# Altium PCB Nest-Distrib.PcbDoc (continued)
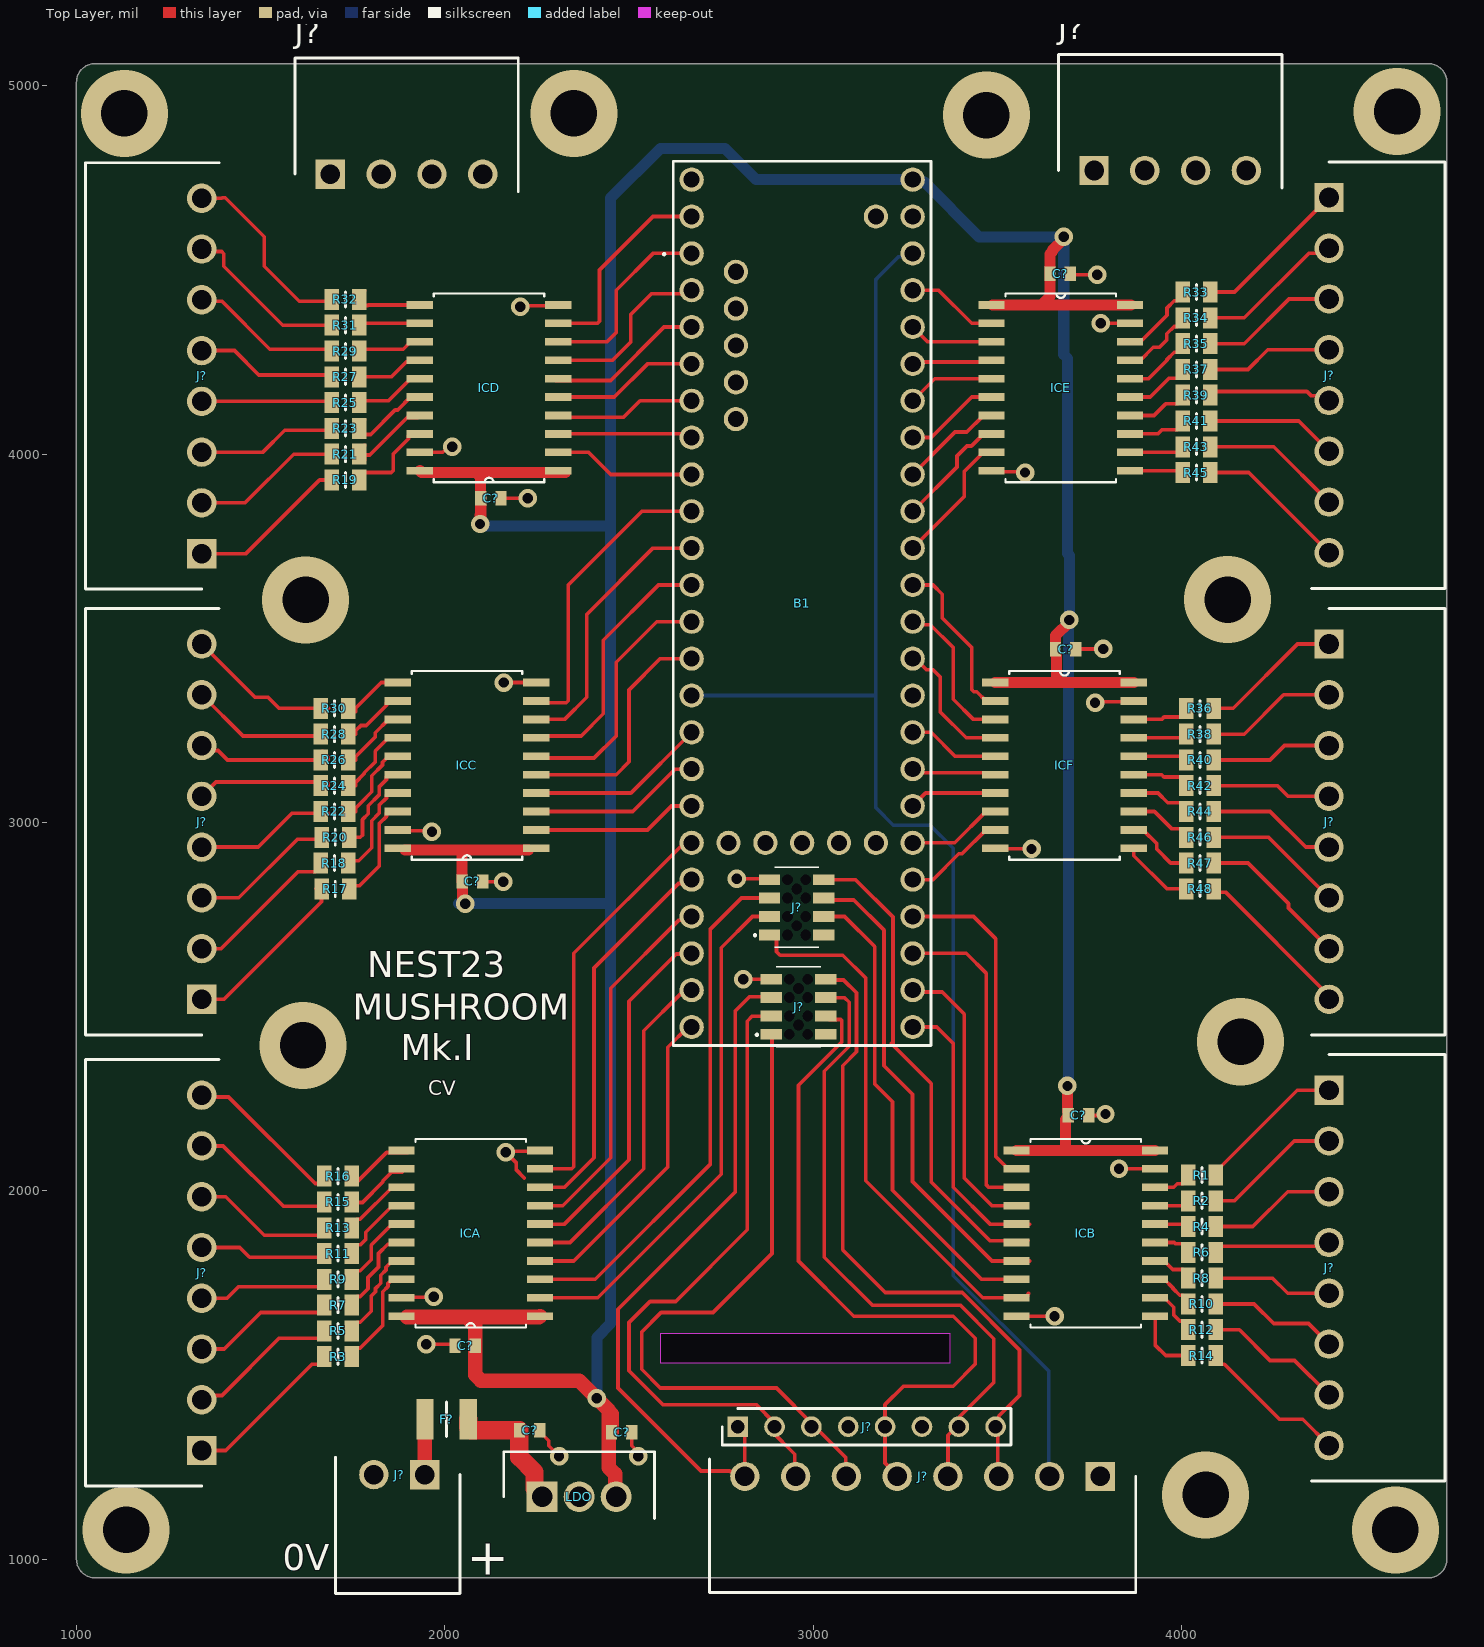
[diagram p0: Top Layer view]
## Nets (pads, with @x,y where several pads share a name; then routed paths per layer and width w, separated by ;. In a path a pad name is that pad's centre, name@x,y a point inside that pad or via, vN(x,y) a via of type N, cw(c..) or ccw(c..) an arc to the next point about the centre after c; other vN are vias at no path point)
3V3: B1.42 B1.44 B1.53 J?.2@3641.18,1225 | length 4132.2
  Bottom Layer w10: B1.42 3170,3345 ; B1.53 3260.79,4535.79 3231.65,4535.79 3175.86,4480 3170,4474.14 3170,3345 ; J?.2@3641.18,1225 3638.98,1227.2 3638.98,1511.02 3380,1770 3380,2930 3317.22,2992.78 3217.22,2992.78 3170,3040 3170,3345
+5: B1.55 C?.1@2047.44,2840 C?.1@2082.56,1580 C?.1@2097.44,3880 C?.1@2452.44,1345 C?.1@3642.44,4490 C?.1@3657.44,3470 C?.1@3692.44,2205 ICA.1 ICA.20 ICB.1 ICB.20 ICC.1 ICC.20 ICD.1 ICD.20 ICE.1 ICE.20 ICF.1 ICF.20 LDO.3 | length 11684.9
  Top Layer w30: ICC.20@1892.5,2925.5 1907.65,2925.5 1908.15,2925 2047.09,2925 ; ICD.20 1936.5,3950.5 1967.65,3950.5 1968.15,3950 2085,3950 ; C?.1@2047.09,2839.65 2047.09,2925 ; C?.1@2047.44,2840 2047.8,2839.65 2047.8,2792.62 2055,2785.41 v1(2055,2780) ; v1(2095.6,3810.3) 2095.6,3834.4 2097.44,3832.56 2097.44,3880 2097.09,3880.35 2097.09,3937.91 2085,3950 ; ICC.1@2227.5,2925.5 2212.35,2925.5 2211.85,2925 2047.09,2925 ; ICD.1@2326.8,3950 2085,3950 ; ICE.1@3487,4405 3620,4405 ; ICF.1 3660,3380 ; ICB.1 3675,2110 ; v1(3680,4590) 3680,4584.59 3650,4554.59 3650,4550 3642.8,4542.8 3642.8,4490.35 3642.44,4490 3642.44,4427.44 3620,4405 ; v1(3690,2285) 3690,2215 3692.09,2212.91 3692.09,2205.35 3692.44,2205 3692.09,2204.65 3692.09,2200.51 3685,2193.43 3685,2120 3675,2110 ; v1(3695,3550) 3695,3544.59 3657.8,3507.38 3657.8,3470.35 3657.44,3470 3657.44,3465.87 3657.8,3465.51 3657.8,3456.02 3660,3453.81 3660,3380 ; ICE.20@3863,4405 ICE.20 3620,4405 ; ICF.20 3660,3380 ; ICB.20 3675,2110
  Top Layer w40: ICA.20@1897.5,1657.56 2059.13,1657.56 ; 2082.56,1505 2082.56,1634.13 2059.13,1657.56 ; 2082.91,1500.51 2098.43,1485 2365,1485 v1(2412.44,1437.56) 2445,1405 2445,1248.99 2462.42,1231.57 2462.42,1172.58 LDO.3 ; ICA.1 2255.56,1657.56 2059.13,1657.56 ; C?.1@2452.44,1345 2452.44,1394.85
  Bottom Layer w30: v1@2037.33,2780 v1(2055,2780) 2440.15,2780 ; v1@2096.5,3806.48 2113.57,3806.48 2115.05,3805 2450,3805 ; v1(2412.44,1437.56) 2412.44,1602.44 2450,1640 2450,3805 ; v1(3690,2285) 3692.5,2287.5 3692.5,3547.5 v1(3695,3550) 3695,3725.21 3690,3730.21 3690,4260 3680,4270 v1(3680,4590) 3450,4590 3301.8,4738.2 3276.8,4738.2 B1.55 2845,4745 2760,4830 2585,4830 2450,4695 2450,3805
+12: C?.1@2202.44,1350 F?.2 LDO.1 | length 369.7
  Top Layer w50: F?.2 2063.46,1358.23 2071.69,1350 2202.44,1350 2202.44,1277.56 2243.36,1236.64 2243.36,1190.86 LDO.1
A_1: ICA.2 J?.3@2881.38,2745 | length 1421
  Top Layer w10: ICA.2 2414.91,1710 2750,2045.09 2750,2660 2835,2745 J?.3@2890.12,2745
A_2: ICA.3 J?.5@2881.38,2795 | length 1434.8
  Top Layer w10: ICA.3 2408.49,1760 2720,2071.51 2720,2710 2805,2795 J?.5@2890.12,2795
A_3: B1.32 ICA.4 | length 865.4
  Top Layer w10: ICA.4 2350,1810 2605,2065 2605,2390 2660,2445 B1.32
A_4: B1.31 ICA.5 | length 915.4
  Top Layer w10: ICA.5 2340,1860 2540,2060 2540,2435 2639.37,2534.37 2659.37,2534.37 B1.31
A_5: B1.30 ICA.6 | length 968.3
  Top Layer w10: ICA.6 2325,1910 2500,2085 2500,2515 2628.08,2643.08 2668.08,2643.08 B1.30
A_6: B1.29 ICA.7 | length 1006.6
  Top Layer w10: ICA.7 2320,1960 2450,2090 2450,2550 2634.37,2734.37 2659.37,2734.37 B1.29
A_7: B1.28 ICA.8 | length 1059.5
  Top Layer w10: ICA.8 2325,2010 2405,2090 2405,2605 2634.37,2834.37 2659.37,2834.37 B1.28
A_8: B1.27 ICA.9 | length 1103.8
  Top Layer w10: ICA.9@2272,2060 2344.14,2060 2350,2065.86 2350,2645 2639.37,2934.37 2659.37,2934.37 B1.27
B_1: B1.36 ICB.2 | length 913.1
  Top Layer w10: B1.36 3435,2745 3495,2685 3495,2093.93 3521.5,2067.43 3521.5,2065.5 3527,2060 ICB.2
B_2: B1.35 ICB.3 | length 908.5
  Top Layer w10: B1.35 3415,2645 3470,2590 3470,2015.86 3475.86,2010 ICB.3@3579.15,2010
B_3: B1.34 ICB.4 | length 796.8
  Top Layer w10: B1.34 3275,2540 3350,2540 3410,2480 3410,2035 3485,1960 ICB.4@3563.85,1960
B_4: B1.33 ICB.5 | length 766.8
  Top Layer w10: B1.33 3335,2445 3380,2400 3380,2010 3480,1910 ICB.5 ICB.5@3586.78,1910
B_5: ICB.6 J?.8@3028.62,2845 | length 1326.4
  Top Layer w10: J?.8@3029.88,2845 3115,2845 3216.58,2743.42 3216.58,2395.4 ; 3211.97,2400 3216.58,2395.4 ; ICB.6@3583.59,1865 3480,1865 3320.63,2024.37 3320.63,2291.34 3216.58,2395.4
B_6: ICB.7 J?.6@3028.62,2795 | length 1320.1
  Top Layer w10: J?.6@3029.88,2795 3034.88,2790 3110,2790 3191.97,2708.03 3191.97,2340 3269.6,2262.38 3269.6,2025.4 3485,1810 ICB.7 3587.59,1810
B_7: ICB.8 J?.4@3028.62,2745 | length 1312.3
  Top Layer w10: J?.4@3029.88,2745 3085,2745 3166.8,2663.2 3166.8,2290 3215,2241.8 3215,2001.91 3456.91,1760 ICB.8 ; ICB.8@3552,1764.3 ICB.8@3575,1764.3
B_8: ICB.9 J?.1@2881.38,2695 | length 1453.4
  Top Layer w10: J?.1@2890.12,2695 2890.87,2695 2900.43,2685.43 2900.43,2649.57 2910,2640 3080,2640 3142.19,2577.81 3142.19,2027.85 3460.04,1710 ICB.9 3578.43,1710 3582.5,1714.07 3582.5,1719.49 3584.41,1721.41
C_1: B1.26 ICC.2 | length 448.9
  Top Layer w10: ICC.2 2550,2980 2615,3045 B1.26
C_2: B1.25 ICC.3 | length 469.6
  Top Layer w10: ICC.3 2510,3030 2625,3145 B1.25
C_3: B1.24 ICC.4 | length 490.3
  Top Layer w10: ICC.4 2505,3080 B1.24
C_4: B1.12 ICC.5 | length 666.7
  Top Layer w10: ICC.5 2465,3130 2500,3165 2500,3360 2585,3445 B1.12
C_5: B1.11 ICC.6 | length 699
  Top Layer w10: ICC.6@2241.39,3175 2405,3175 2465,3235 2465,3435 2575,3545 B1.11
C_6: B1.10 ICC.7 | length 726
  Top Layer w10: ICC.7@2231.03,3235 2370,3235 2430,3295 2430,3495 2580,3645 B1.10
C_7: B1.9 ICC.8 | length 746.4
  Top Layer w10: ICC.8 2325,3280 2385,3340 2385,3565 2565,3745 B1.9
C_8: B1.8 ICC.9 | length 829.9
  Top Layer w10: ICC.9@2239.48,3325 2329.14,3325 2335,3330.86 2335,3645 2535,3845 B1.8
D_1: B1.7 ICD.2 | length 386.9
  Top Layer w10: ICD.2 2390,4005 2450,3945 B1.7
D_2: B1.6 ICD.3 | length 375.3
  Top Layer w10: ICD.3@2298.94,4055.33 2659.67,4055.33 B1.6
D_3: B1.5 ICD.4 | length 385.4
  Top Layer w10: ICD.4@2303.23,4100 2485,4100 2530,4145 B1.5
D_4: B1.4 ICD.5 | length 403.2
  Top Layer w10: ICD.5@2304.09,4155 2460,4155 2550,4245 B1.4
D_5: B1.3 ICD.6 | length 429.1
  Top Layer w10: ICD.6@2300.97,4200 2450,4200 2595,4345 B1.3
D_6: B1.2 ICD.7 | length 497.1
  Top Layer w10: ICD.7@2295.49,4255 2455,4255 2505,4305 2505,4380 2560,4435 2660,4435 B1.2
D_7: B1.1 ICD.8 | length 540.2
  Top Layer w10: ICD.8@2296.62,4305 2440,4305 2465,4330 2465,4445 2565,4545 B1.1
D_8: B1.57 ICD.9 | length 569.5
  Top Layer w10: ICD.9@2302.1,4355 2414.14,4355 2420,4360.86 2420,4500 2565,4645 B1.57
E_1: B1.23 ICE.2 | length 254.3
  Top Layer w10: B1.23 3340,4445 3430,4355 ICE.2@3487,4355
E_2: B1.22 ICE.3 | length 233.6
  Top Layer w10: B1.22 3310,4305 ICE.3@3487,4305
E_3: B1.21 ICE.4 | length 221.1
  Top Layer w10: B1.21 3275,4250 3482,4250 ICE.4@3487,4255
E_4: B1.20 ICE.5 | length 241.9
  Top Layer w10: B1.20 3330,4205 ICE.5@3487,4205
E_5: B1.19 ICE.6 | length 262.6
  Top Layer w10: B1.19 3320,4045 3430,4155 ICE.6@3487,4155
E_6: B1.18 ICE.7 | length 283.3
  Top Layer w10: B1.18 3385,4060 3417,4060 3462,4105 ICE.7@3487,4105
E_7: B1.17 ICE.8 | length 321.6
  Top Layer w10: B1.17 3390,3965 3390,3995 3417.25,4022.25 3429.25,4022.25 3462,4055 ICE.8@3487,4055
E_8: B1.16 ICE.9 | length 364.5
  Top Layer w10: B1.16 3410,3885 3410,3953 3462,4005 ICE.9@3487,4005
EX_1: J?.1@2795,1360 J?.8@2814.41,1225 | length 1860.7
  Top Layer w10: J?.1@2795,1360 2814.41,1340.59 2814.41,1225 2801.07,1238.34 2775.35,1238.34 2773.69,1240 2695,1240 2470,1465 2470,1678.77 2788.31,1997.07 2788.31,2488.31 2827.02,2527.02 2888.1,2527.02 2890.12,2525
EX_2: J?.2@2895,1360 J?.7@2952.2,1225 | length 1813.8
  Top Layer w10: J?.2@2885,1350 2950,1285 2950,1227.2 J?.7@2952.2,1225 ; 2889.75,2474.64 2834.64,2474.64 2820.94,2460.94 2820.94,1894.4 2626.54,1700 2557.17,1700 2500,1642.83 2500,1511.78 2591.78,1420 2845,1420 2895,1370 J?.2@2895,1360
EX_3: J?.3@2995,1360 J?.6@3090,1225 | length 1844.6
  Top Layer w10: 2890.12,2425 2887.89,2422.78 2887.89,1830.22 2727.67,1670 2587.04,1670 2534.14,1617.1 2534.14,1515.86 2585,1465 2900,1465 3000,1365 3087.8,1277.2 3087.8,1227.2 J?.6@3090,1225
EX_4: J?.5@3195,1360 J?.5@3227.8,1225 | length 1886.4
  Top Layer w10: 3033.62,2475 3043.19,2465.43 3074.57,2465.43 3077.56,2462.44 3077.56,2404.22 2960,2286.66 2960,1810 3110,1660 3380,1660 3440,1600 3440,1530 3380,1470 3245,1470 3195,1420 3195,1360 3195,1261.51 3227.8,1228.71 J?.5@3227.8,1225
EX_5: J?.4@3365.59,1225 J?.7@3395,1360 | length 1773.3
  Top Layer w10: 3030.19,2524.69 3084.84,2524.69 3097.56,2511.97 3097.56,2392.56 3030,2325 3030,1820 3160.54,1689.46 3399.46,1689.46 3490,1598.93 3490,1480 3380.49,1370.49 J?.7@3380.49,1365.97 ; J?.4@3365.59,1225 3365.59,1336.81 3388.78,1360 J?.7@3395,1360
EX_6: J?.3@3503.39,1225 J?.8@3495,1360 | length 1777.7
  Top Layer w10: 3029.88,2575 3032.08,2572.8 3082.44,2572.8 3117.56,2537.68 3117.56,2377.56 3080,2340 3080,1840 3195.64,1724.36 3404.23,1724.36 3560,1568.58 3560,1445 3503.82,1388.82 3503.82,1362.64 3501.18,1360 3501.18,1227.2 J?.3@3503.39,1225
F_1: B1.15 ICF.2 | length 459.4
  Top Layer w10: B1.15 3325,3645 3350,3620 3350,3555 3430,3475 3430,3360.86 3435.86,3355 3444,3355 3469,3330 ICF.2
F_2: B1.14 ICF.3 | length 415.8
  Top Layer w10: B1.14 3277.78,3537.22 3317.78,3537.22 3380,3475 3380,3335 3435,3280 ICF.3
F_3: B1.13 ICF.4 | length 368.7
  Top Layer w10: B1.13 3276.94,3445 3307.25,3414.69 3325.31,3414.69 3345,3395 3345,3300 3415,3230 ICF.4
F_4: B1.41 ICF.5 | length 250.9
  Top Layer w10: B1.41 3320,3245 3385,3180 ICF.5
F_5: B1.40 ICF.6 | length 230.2
  Top Layer w10: B1.40 3279.5,3135.5 3488.5,3135.5 ICF.6
F_6: B1.39 ICF.7 | length 238.5
  Top Layer w10: B1.39 3305,3080 ICF.7
F_7: B1.38 ICF.8 | length 259.2
  Top Layer w10: B1.38 3384,2945 3469,3030 ICF.8
F_8: B1.37 ICF.9 | length 279.9
  Top Layer w10: B1.37 3325,2845 3395,2915 3404,2915 3469,2980 ICF.9
GND: B1.45 B1.48 B1.49 B1.69 B1.70 B1.71 C?.2 ICA.10 ICA.19 ICB.10 ICB.19 ICC.10 ICC.19 ICD.10 ICD.19 ICE.10 ICE.19 ICF.10 ICF.19 J?.1@1689.41,4760 J?.1@3762.2,4770 J?.1@3778.98,1225 J?.2@1807.2,1230 J?.2@1827.2,4760 J?.2@3900,4770 J?.3@1965,4760 J?.3@4037.8,4770 J?.4@2102.8,4760 J?.4@4175.59,4770 J?.7@2881.38,2845 J?.7@2886.38,2575 LDO.2 | length 1986
  Top Layer w10: ICC.19 1874.5,2977.5 1962.5,2977.5 v1(1965,2975) ; ICA.19 1883.28,1711.28 1968.72,1711.28 v1(1970,1712.56) ; ICD.19@1933.75,4002.5 1936.25,4005 1994.18,4005 2009.18,4020 v1(2020,4020) ; v1(1949.12,1583.78) 2023.66,1583.78 C?.2@2027.44,1580 ; C?.2@2102.56,2840 2103.39,2839.16 v1(2158.51,2839.16) ; C?.2@2152.56,3880 v1(2225,3880) ; v1(2160,3380) ICC.10 ; v1(2205,4400) 2207.5,4402.5 2305.5,4402.5 ICD.10 ; 2215.79,2035 2194.22,2056.57 2194.22,2075.78 v1(2165,2105) 2167.5,2107.5 2255.5,2107.5 ICA.10 ; C?.2@2257.56,1350 2257.56,1345.87 2281.72,1321.71 2281.72,1308.28 v1(2310,1280) ; C?.2@2507.56,1345 2507.56,1308.26 2525,1290.82 v1(2525,1280) ; v1(2792.5,2847.5) 2878.88,2847.5 2881.38,2845 J?.7@2890.12,2845 ; v1(2810,2575) 2886.38,2575 J?.7@2890.12,2575 ; ICE.10@3487,3955 3489.5,3952.5 3572.5,3952.5 v1(3575,3950) ; ICF.10 3494.83,2929.17 3591.79,2929.17 v1(3592.62,2928.34) ; ICB.10 v1(3655,1660) ; C?.2@3697.56,4490 3700.37,4487.19 v1(3770.88,4487.19) ; C?.2@3712.56,3470 3713.87,3471.32 v1(3787.5,3471.32) ; C?.2@3747.56,2205 3785,2205 3788.85,2208.85 v1(3793.38,2208.85) ; v1(3765,3325) 3767.5,3327.5 3867.5,3327.5 ICF.19 ; v1(3780,4355) ICE.19@3863,4355 ; v1(3830,2060) ICB.19
  other v2: 1135,1080 4580,1080 4065,1175 1615,2395 4160,2405 1622.25,3604.52 4125,3605 3470,4920 1130,4925 2350,4925 4585,4930
N1: J?.1@4400,2273.39 R1.2 | length 408
  Top Layer w10: R1.2 4092.48,2052.14 4313.73,2273.39 J?.1@4400,2273.39
N2: J?.2@4400,2135.59 R2.2 | length 374.7
  Top Layer w10: R2.2 4143.28,1973.28 4305.59,2135.59 J?.2@4400,2135.59
N3: J?.3@4400,1997.8 R4.2 | length 346.7
  Top Layer w10: R4.2 4193.28,1903.28 4287.8,1997.8 J?.3@4400,1997.8
N4: J?.4@4400,1860 R6.2 | length 319.8
  Top Layer w10: R6.2 4092.48,1835.31 4107.17,1850 4390,1850 J?.4@4400,1860
N5: J?.5@4400,1722.2 R8.2 | length 324.5
  Top Layer w10: R8.2 4246.72,1763.28 4287.8,1722.2 J?.5@4400,1722.2
N6: J?.6@4400,1584.41 R10.2 | length 352.6
  Top Layer w10: R10.2 4196.72,1693.28 4250,1640 4344.41,1640 J?.6@4400,1584.41
N7: J?.7@4400,1446.61 R12.2 | length 380.7
  Top Layer w10: R12.2 4156.72,1623.28 4240,1540 4306.61,1540 J?.7@4400,1446.61
N8: J?.8@4400,1308.82 R14.2 | length 414
  Top Layer w10: R14.2 4092.48,1544.42 4107.17,1529.74 4116.03,1529.74 4265.76,1380 4328.82,1380 J?.8@4400,1308.82
N9: J?.1@1340,2520 R17.2 | length 485
  Top Layer w10: J?.1@1340,2520 1400,2520 1665.2,2785.2 R17.2 R17.2@1650,2820
N10: J?.2@1340,2657.8 R18.2 | length 429.9
  Top Layer w10: J?.2@1340,2657.8 1392.8,2657.8 1601.58,2866.58 1647.91,2866.58 1665,2883.67 R18.2@1665,2895
N11: J?.3@1340,2795.59 R20.2 | length 405.2
  Top Layer w10: J?.3@1340,2795.59 1440.59,2795.59 1600,2955 R20.2@1679.2,2955
N12: J?.4@1340,2933.39 R22.2 | length 382.2
  Top Layer w10: J?.4@1340,2933.39 1493.39,2933.39 1585,3025 1684.28,3025
N13: J?.5@1340,3071.18 R24.2 | length 372
  Top Layer w10: J?.5@1340,3071.18 1378.82,3110 R24.2@1668.67,3110 ; R24.2@1667.91,3121.18 1682.6,3106.5 1682.6,3100
N14: J?.6@1340,3208.98 R26.2 | length 372.2
  Top Layer w10: J?.6@1340,3208.98 1353.28,3195.69 1384.31,3195.69 1410,3170 R26.2@1666.46,3170 ; R26.2@1667.91,3193.54 1682.6,3178.86 1682.6,3170
N15: J?.7@1340,3346.77 R28.2 | length 380.2
  Top Layer w10: J?.7@1340,3346.77 1451.77,3235 R28.2@1673.94,3235
N16: J?.8@1340,3484.57 R30.2 | length 416.7
  Top Layer w10: J?.8@1340,3484.57 1484.57,3340 1520,3340 1550,3310 1684.4,3310
N17: J?.1@4400,3484.57 R36.2 | length 384.9
  Top Layer w10: R36.2 4140,3310 4314.57,3484.57 J?.1@4400,3484.57
N18: J?.2@4400,3346.77 R38.2 | length 356.8
  Top Layer w10: R38.2 4170,3240 4276.77,3346.77 J?.2@4400,3346.77
N19: J?.3@4400,3208.98 R40.2 | length 328.7
  Top Layer w10: R40.2 4240,3170 4278.98,3208.98 J?.3@4400,3208.98
N20: J?.4@4400,3071.18 R42.2 | length 324.5
  Top Layer w10: R42.2 4260,3100 4288.82,3071.18 J?.4@4400,3071.18
N21: J?.5@4400,2933.39 R44.2 | length 352.6
  Top Layer w10: R44.2 4240,3030 4336.61,2933.39 J?.5@4400,2933.39
N22: J?.6@4400,2795.59 R46.2 | length 380.7
  Top Layer w10: R46.2 4235.59,2960 J?.6@4400,2795.59
N23: J?.7@4400,2657.8 R47.2 | length 415.9
  Top Layer w10: R47.2 4180,2890 4290,2780 4290,2767.8 J?.7@4400,2657.8
N24: J?.8@4400,2520 R48.2 | length 442.7
  Top Layer w10: R48.2 4096.26,2811.14 4118.86,2811.14 4400,2530 J?.8@4400,2520
N25: J?.1@1340,1295.43 R3.2 | length 439.8
  Top Layer w10: J?.1@1340,1295.43 1405.43,1295.43 1640,1530 R3.2@1682.6,1530
N26: J?.2@1340,1433.23 R5.2 | length 411.7
  Top Layer w10: J?.2@1340,1433.23 1351.63,1444.86 1394.86,1444.86 1550,1600 R5.2@1682.6,1600
N27: J?.3@1340,1571.02 R7.2 | length 383.6
  Top Layer w10: J?.3@1340,1571.02 1401.02,1571.02 1500,1670 R7.2@1682.6,1670
N28: J?.4@1340,1708.82 R9.2 | length 355.5
  Top Layer w10: J?.4@1340,1708.82 1408.82,1708.82 1440,1740 R9.2@1682.6,1740
N29: J?.5@1340,1846.61 R11.2 | length 357.8
  Top Layer w10: J?.5@1340,1846.61 1443.39,1846.61 1470,1820 1672.6,1820 R11.2@1682.6,1810
N30: J?.6@1340,1984.41 R13.2 | length 385.8
  Top Layer w10: J?.6@1340,1984.41 1405.59,1984.41 1510,1880 R13.2@1682.6,1880
N31: J?.7@1340,2122.2 R15.2 | length 413.9
  Top Layer w10: J?.7@1340,2122.2 1397.8,2122.2 1561.14,1958.86 1673.74,1958.86 R15.2@1682.6,1950
N32: J?.8@1340,2260 R16.2 | length 442
  Top Layer w10: J?.8@1340,2260 1344.86,2255.14 1412.78,2255.14 1647.91,2020 R16.2@1682.6,2020
N33: J?.1@1340,3730 R19.2 | length 439
  Top Layer w10: J?.1@1340,3730 1460,3730 1660,3930 R19.2@1696.19,3930
N34: J?.2@1340,3867.8 R21.2 | length 418.4
  Top Layer w10: J?.2@1340,3867.8 1457.8,3867.8 1590,4000 R21.2@1703.64,4000
N35: J?.3@1340,4005.59 R23.2 | length 381.3
  Top Layer w10: J?.3@1340,4005.59 1506.19,4005.59 1565.6,4065 R23.2@1696.73,4065
N36: J?.4@1340,4143.39 R25.2 | length 353
  Top Layer w10: J?.4@1340,4143.39 R25.2@1692.95,4143.39
N37: J?.5@1340,4281.18 R27.2 | length 383
  Top Layer w10: J?.5@1340,4281.18 1428.82,4281.18 1495,4215 R27.2@1695.62,4215
N38: J?.6@1340,4418.98 R29.2 | length 411.4
  Top Layer w10: J?.6@1340,4418.98 1343.84,4415.14 1394.86,4415.14 1525,4285 R29.2@1695.9,4285
N39: J?.7@1340,4556.77 R31.2 | length 465.2
  Top Layer w10: J?.7@1340,4556.77 1346.77,4550 1394.14,4550 1400,4544.14 1400,4510 1560,4350 R31.2@1699.55,4350
N40: J?.8@1340,4694.57 R32.2 | length 524.5
  Top Layer w10: J?.8@1340,4694.57 1394.57,4694.57 1395.86,4695.86 1404.14,4695.86 1510,4590 1510,4510 1605,4415 R32.2@1700.79,4415
N41: J?.1@4400,4696.77 R33.2 | length 429
  Top Layer w10: R33.2 4143.23,4440 J?.1@4400,4696.77
N42: J?.2@4400,4558.98 R34.2 | length 400.9
  Top Layer w10: R34.2 4170,4370 4345.64,4545.64 4386.66,4545.64 J?.2@4400,4558.98
N43: J?.3@4400,4421.18 R35.2 | length 372.8
  Top Layer w10: R35.2 4170,4300 4291.18,4421.18 J?.3@4400,4421.18
N44: J?.4@4400,4283.39 R37.2 | length 344.7
  Top Layer w10: R37.2 4180,4230 4233.39,4283.39 J?.4@4400,4283.39
N45: J?.5@4400,4145.59 R39.2 | length 336.9
  Top Layer w10: R39.2 4087.4,4170 4340,4170 4351.07,4158.93 4386.66,4158.93 J?.5@4400,4145.59
N46: J?.6@4400,4007.8 R41.2 | length 356.6
  Top Layer w10: R41.2 4317.8,4090 J?.6@4400,4007.8
N47: J?.7@4400,3870 R43.2 | length 384.7
  Top Layer w10: R43.2 4250,4020 J?.7@4400,3870
N48: J?.8@4400,3732.2 R45.2 | length 412.8
  Top Layer w10: R45.2 4182.2,3950 J?.8@4400,3732.2
NetF?_1: F?.1 J?.1@1945,1230 | length 150.6
  Top Layer w30: J?.1@1945,1230 J?.1@1945.77,1230.77 ; F?.1@1945.77,1379.23 F?.1
  Top Layer w40: J?.1@1945.77,1230.77 F?.1@1945.77,1379.23
NetICA_11: ICA.11 R16.1 | length 185
  Top Layer w10: R16.1@1757.4,2020 1841.9,2104.5 1899.65,2104.5 ICA.11@1905.15,2110
NetICA_12: ICA.12 R15.1 | length 178.2
  Top Layer w10: R15.1@1757.4,1950 1757.4,1964.14 1762.09,1968.83 1776.23,1968.83 1831.5,2024.1 1831.5,2026.71 1856.17,2051.39 ICA.12@1883.79,2051.39
NetICA_13: ICA.13 R13.1 | length 192.4
  Top Layer w10: R13.1@1757.4,1888.86 1757.4,1918.86 1762.09,1923.54 1770.54,1923.54 1857,2010 ICA.13
NetICA_14: ICA.14 R11.1 | length 205.3
  Top Layer w10: R11.1 1747.4,1838.86 1762.09,1853.54 1770.39,1853.54 1785,1868.16 1785,1888 1857,1960 ICA.14
NetICA_15: ICA.15 R9.1 | length 225.3
  Top Layer w10: R9.1 1747.4,1768.86 1762.09,1783.54 1770.39,1783.54 1800,1813.16 1800,1853 1857,1910 ICA.15
NetICA_16: ICA.16 R7.1 | length 249.4
  Top Layer w10: R7.1 1747.4,1698.86 1762.09,1713.54 1770.39,1713.54 1791.5,1734.66 1791.5,1765 1820,1793.5 1820,1830 1845,1855 1877,1855 ICA.16
NetICA_17: ICA.17 R5.1 | length 265.3
  Top Layer w10: R5.1 1747.4,1628.86 1762.09,1643.54 1770.39,1643.54 1800,1673.16 1800,1714.87 1811.5,1726.37 1811.5,1735 1825.75,1749.25 1825.75,1770.96 1840,1785.21 1840,1793 1857,1810 ICA.17
NetICA_18: ICA.18 R3.1 | length 285.3
  Top Layer w10: R3.1 1747.4,1558.86 1762.09,1573.54 1770.39,1573.54 1831.5,1634.66 1831.5,1726.71 1845.75,1740.96 1845.75,1748.75 1857,1760 ICA.18
NetICB_11: ICB.11 R14.1 | length 179.6
  Top Layer w10: ICB.11 3928,1582 3956.72,1553.28 R14.1
NetICB_12: ICB.12 R12.1 | length 143.4
  Top Layer w10: ICB.12 3953,1710 3978.5,1684.5 3978.5,1663.02 3994.69,1646.82 4002.99,1646.82 4017.68,1632.14 R12.1
NetICB_13: ICB.13 R10.1 | length 123.4
  Top Layer w10: ICB.13 3953,1760 3976.6,1736.4 3976.6,1734.92 3994.69,1716.82 4002.99,1716.82 4017.68,1702.14 R10.1
NetICB_14: ICB.14 R8.1 | length 114.2
  Top Layer w10: ICB.14 3953,1810 3976.18,1786.82 4002.99,1786.82 4017.68,1772.14 R8.1
NetICB_15: ICB.15 R6.1 | length 105.9
  Top Layer w10: ICB.15 3979.16,1860 3982.34,1856.82 4002.99,1856.82 4017.68,1842.14 R6.1
NetICB_16: ICB.16 R4.1 | length 92.5
  Top Layer w10: ICB.16 4010.96,1910 R4.1
NetICB_17: ICB.17 R2.1 | length 95.2
  Top Layer w10: ICB.17 4004.4,1960 R2.1
NetICB_18: ICB.18 R1.1 | length 108.7
  Top Layer w10: ICB.18 3978.5,2010 3988.24,2019.74 4002.99,2019.74 4017.68,2034.42 R1.1
NetICC_11: ICC.11 R30.1 | length 152.5
  Top Layer w10: 1757.4,3301.14 1757.4,3310 1827.36,3379.96 ICC.11 ICC.11
NetICC_12: ICC.12 R28.1 | length 160.4
  Top Layer w10: 1757.4,3240 1757.4,3248.86 1772.09,3263.54 1786.32,3263.54 1841.5,3318.73 1841.5,3324.5 1847,3330 ICC.12
NetICC_13: ICC.13 R26.1 | length 172.1
  Top Layer w10: 1757.4,3170 1757.4,3178.86 1810.94,3232.4 1810.94,3243.94 1847,3280 ICC.13
NetICC_14: ICC.14 R24.1 | length 192.1
  Top Layer w10: 1757.4,3100 1757.4,3108.86 1781.5,3132.96 1781.5,3135 1810.94,3164.44 1810.94,3193.94 1847,3230 ICC.14
NetICC_15: ICC.15 R22.1 | length 212.1
  Top Layer w10: 1757.4,3030 1757.4,3038.86 1772.09,3053.54 1772.09,3053.87 1801.5,3083.28 1801.5,3126.71 1830.94,3156.16 1830.94,3163.94 1847,3180 ICC.15
NetICC_16: ICC.16 R20.1 | length 257.1
  Top Layer w10: R20.1 1770.38,2960 1776.24,2965.86 1776.24,3008.02 1792.09,3023.87 1792.09,3045.58 1821.5,3075 1821.5,3096.71 1841.5,3116.71 1841.5,3124.5 1847,3130 ICC.16
NetICC_17: ICC.17 R18.1 | length 273.6
  Top Layer w10: R18.1 1743.63,2896.23 1766.23,2896.23 1801.5,2931.5 1801.5,3005 1821.5,3025 1821.5,3046.71 1841.5,3066.71 1841.5,3074.5 1847,3080 ICC.17
NetICC_18: ICC.18 R17.1 | length 291
  Top Layer w10: R17.1 1748.83,2828.83 1768.83,2828.83 1821.5,2881.5 1821.5,2996.71 1841.5,3016.71 1841.5,3024.5 1847,3030 ICC.18
NetICD_11: ICD.11 R32.1 | length 182.7
  Top Layer w10: R32.1 1767.4,4428.86 R32.1@1782.09,4443.54 ; R32.1@1782.09,4403.54 1790.94,4403.54 1792.4,4405 ICD.11@1934.6,4405
NetICD_12: ICD.12 R31.1 | length 165.8
  Top Layer w10: R31.1@1766.17,4355 ICD.12
NetICD_13: ICD.13 R29.1 | length 175.4
  Top Layer w10: R29.1@1764.93,4285 1887,4285 1907,4305 ICD.13
NetICD_14: ICD.14 R27.1 | length 184.3
  Top Layer w10: R27.1@1766.39,4210 1855,4210 1895,4250 1927,4250 ICD.14
NetICD_15: ICD.15 R25.1 | length 184.1
  Top Layer w10: R25.1@1772.84,4145 1847.09,4145 1901.5,4199.41 1901.5,4199.5 1907,4205 ICD.15
NetICD_16: ICD.16 R23.1 | length 221.6
  Top Layer w10: R23.1 1767.4,4078.86 R23.1@1782.09,4093.54 ; R23.1@1782.09,4053.54 1798.54,4053.54 1865,4120 1872,4120 1907,4155 ICD.16
NetICD_17: ICD.17 R21.1 | length 238.1
  Top Layer w10: R21.1 1767.4,4008.86 R21.1@1782.09,4023.54 ; R21.1@1782.09,3983.54 1782.09,3997.69 1796.23,3997.69 1898.04,4099.5 1926.5,4099.5 ICD.17
NetICD_18: ICD.18 R19.1 | length 237
  Top Layer w10: R19.1@1772.84,3950 1854.14,3950 1860,3955.86 1860,4000.21 1901.5,4041.71 1901.5,4049.5 1912,4060 ICD.18@1933.78,4060
NetICE_11: ICE.11 R45.1 | length 141.7
  Top Layer w10: ICE.11@3863,3955 3997.6,3955 R45.1
NetICE_12: ICE.12 R43.1 | length 146
  Top Layer w10: ICE.12@3863,4005 3987.91,4005 4002.6,4019.69 R43.1
NetICE_13: ICE.13 R41.1 | length 159.3
  Top Layer w10: ICE.13@3863,4055 3934.98,4055 3946.43,4066.46 3987.91,4066.46 4002.6,4081.14 R41.1
NetICE_14: ICE.14 R39.1 | length 167.6
  Top Layer w10: ICE.14@3863,4105 3924.98,4105 3956.44,4136.46 3987.91,4136.46 4002.6,4151.14 R39.1
NetICE_15: ICE.15 R37.1 | length 175.9
  Top Layer w10: ICE.15@3863,4155 3915,4155 3966.46,4206.46 3987.91,4206.46 4002.6,4221.14 R37.1
NetICE_16: ICE.16 R35.1 | length 185.2
  Top Layer w10: ICE.16@3863,4205 3910,4205 3960,4255 3960,4256.84 3979.61,4276.46 3987.91,4276.46 4002.6,4291.14 R35.1
NetICE_17: ICE.17 R34.1 | length 202.3
  Top Layer w10: ICE.17@3863,4255 3888,4255 3923,4290 3940,4290 3959.81,4309.81 3959.81,4326.65 3979.61,4346.46 3987.91,4346.46 4002.6,4361.14 R34.1
NetICE_18: ICE.18 R33.1 | length 212.3
  Top Layer w10: ICE.18@3863,4305 3888,4305 3960,4377 3960,4396.84 3979.61,4416.46 3987.91,4416.46 4002.6,4431.14 R33.1
NetICF_11: ICF.11 R48.1 | length 199.9
  Top Layer w10: ICF.11 3870,2910 3960,2820 R48.1
NetICF_12: ICF.12 R47.1 | length 188.7
  Top Layer w10: ICF.12 3895,2980 3932.76,2942.24 3932.76,2927.24 3970,2890 R47.1
NetICF_13: ICF.13 R46.1 | length 176.8
  Top Layer w10: ICF.13 3925.98,3030 3972.43,2983.54 3997.91,2983.54 4012.6,2968.86 R46.1
NetICF_14: ICF.14 R44.1 | length 168.5
  Top Layer w10: ICF.14 3935.98,3080 3962.43,3053.54 3997.91,3053.54 4012.6,3038.86 R44.1
NetICF_15: ICF.15 R42.1 | length 160.2
  Top Layer w10: ICF.15 3945.98,3130 3952.43,3123.54 3997.91,3123.54 4012.6,3108.86 R42.1
NetICF_16: ICF.16 R40.1 | length 146.7
  Top Layer w10: ICF.16 4002.6,3180 R40.1
NetICF_17: ICF.17 R38.1 | length 146.7
  Top Layer w10: ICF.17 4002.6,3230 R38.1
NetICF_18: ICF.18 R36.1 | length 160.2
  Top Layer w10: ICF.18 3945.98,3280 3952.43,3286.46 3997.91,3286.46 4012.6,3301.14 R36.1
pads on no net: B1.43 B1.46 B1.47 B1.50 B1.51 B1.52 B1.68 J?.1@2886.38,2425 J?.2@3028.62,2695 J?.2@3033.62,2425 J?.3@2886.38,2475 J?.4@3033.62,2475 J?.4@3095,1360 J?.5@2886.38,2525 J?.6@3033.62,2525 J?.6@3295,1360 J?.8@3033.62,2575 J?.9 J?.10 J?.11 J?.12 J?.13 J?.14 J?.15 J?.16 J?.17 J?.18

## Polygon pours and split planes (outlines as drawn)
GND on Bottom Layer "Bottom Layer-GND" (solid, pour order 0): 4720,5060 4720,950 1000,950 1000,5060

## Silkscreen, mask and mechanical layers (free items; w line width, h text height)
Top Overlay:
  text "NEST23" at 1790,2580 h70
  text "MUSHROOM" at 1750,2465 h70
  text "Mk.I" at 1880,2355 h70
  text "CV" at 1955,2260 h40
  text "0V" at 1560,970 h70
  text "+" at 2060,958.34 h100
Bottom Overlay:
  text "NEST23" at 3185,4935 h70
  text "MUSHROOM" at 3240,4820 h70
  text "Mk.I" at 3085,4695 h70
  text "CV" at 2995,4605 h40
Mechanical 1:
  circle w10: c1120,4940 r118.11
  circle w10: c4600,4940 r118.11
  circle w10: c4600,1070 r118.11
  circle w10: c1120,1070 r118.11
  lines w1.18: 1020,4790 4760,4790 ; 1930,1970 4150,1970 ; 1960,3210 4180,3210 ; 1990,4360 4210,4360
Board Shape:
  lines w10: 1000,1000 ccw(c1050,1000) 1050,950 4670,950 ccw(c4670,1000) 4720,1000 4720,1100 4720,5010 ccw(c4670,5010) 4670,5060 1050,5060 ccw(c1050,5010) 1000,5010 1000,4890 1000,1000 ; 2584.81,1533.74 3372.21,1533.74 3372.21,1612.48 2584.81,1612.48 2584.81,1533.74